# Altium PCB H7.PcbDoc (part 3 of 3) (continued)
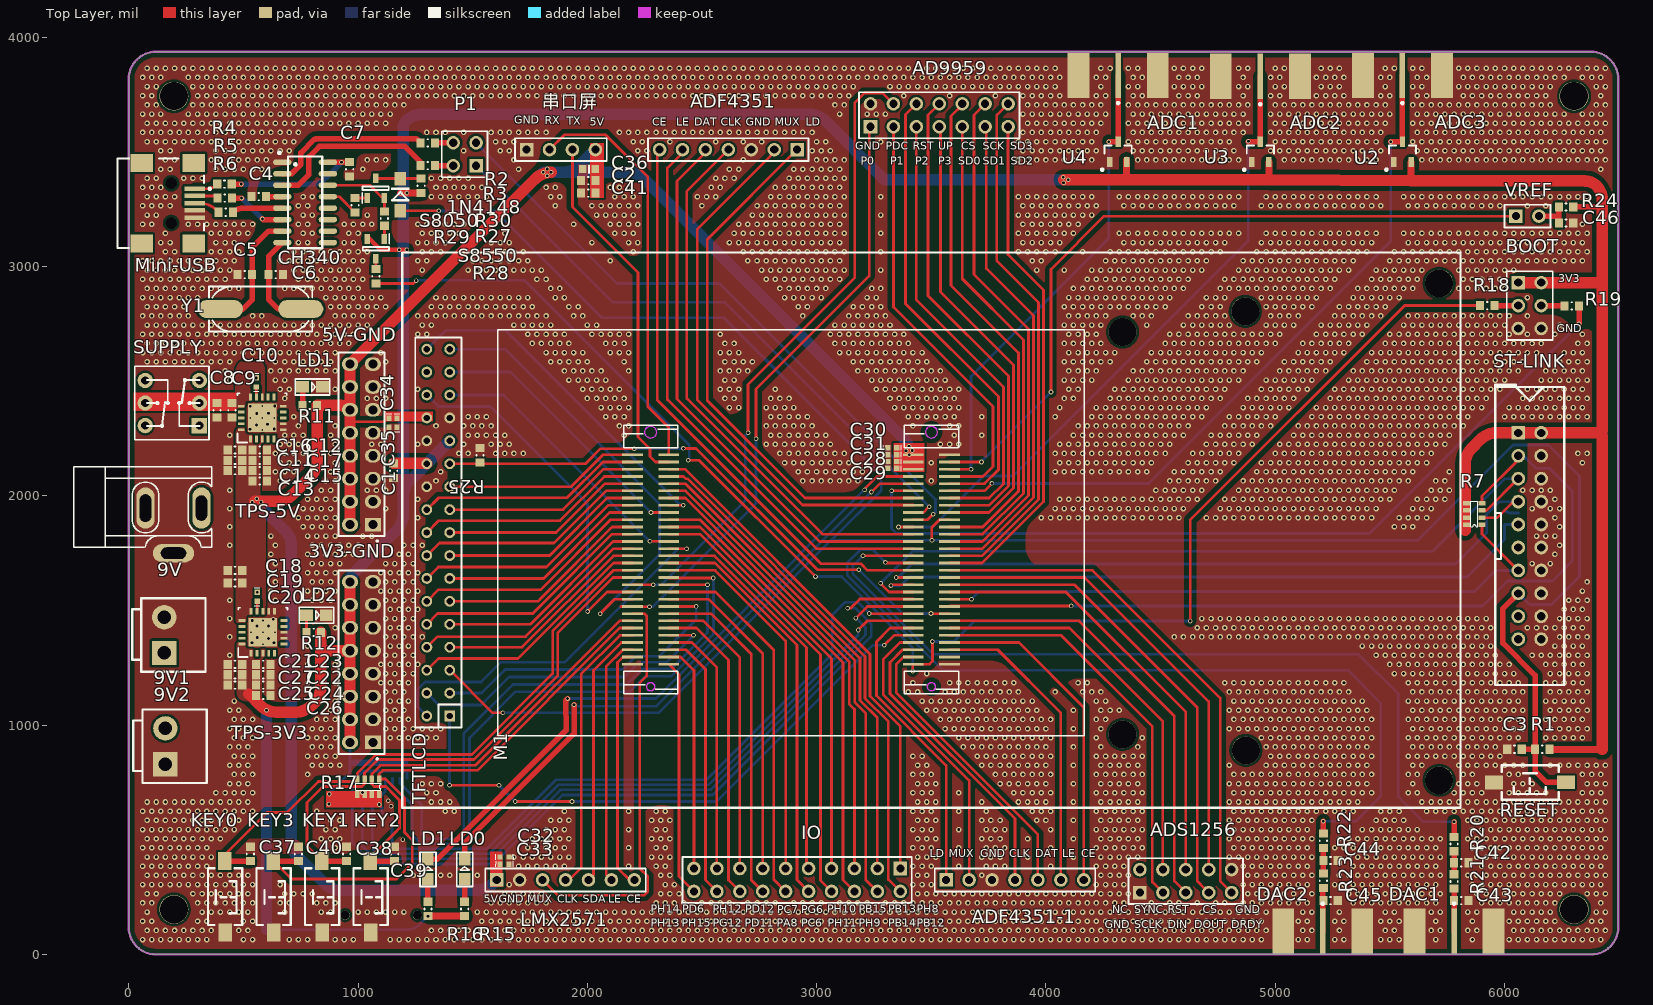
[diagram p0: Top Layer view]
## Nets (pads, with @x,y where several pads share a name; then routed paths per layer and width w, separated by ;. In a path a pad name is that pad's centre, name@x,y a point inside that pad or via, vN(x,y) a via of type N, cw(c..) or ccw(c..) an arc to the next point about the centre after c; other vN are vias at no path point) (continued)
  Bottom Layer w11.8: TFTLCD.30@1300,2440 1350,2390 1578,2390 2001,1967 v2(2001,1496)
PI8: M1.J2_40 TFTLCD.33 | length 1948.7
  Top Layer w11.8: v2(2056,1486) 2119.49,1549.49 M1.J2_40@2197.52,1549.49
  Bottom Layer w11.8: TFTLCD.33@1400,2640 1640,2640 2315,1965 2315,1745 v2(2056,1486)
RESET: 1N4148.1 C3.2 M1.J1_10 R1.1 RESET.1 ST-LINK.8 TFTLCD.5 | length 10489.2
  Top Layer w11.8: TFTLCD.5@1400.24,1240.08 1586.31,1054 v2(1632,1054) ; v2@3502,1808 3502,1863 3534.98,1895.98 M1.J1_10@3579.39,1895.98
  Top Layer w12: 1N4148.1@1184,3244 v2(1352,3244)
  Top Layer w24: ST-LINK.8@6060,1575 5993,1508 5993,1358 6133.5,1217.5 R1.1@6133.5,895 ; C3.2@6075,895 R1.1@6133.5,895 ; RESET.1@6267.31,750.79 6182.21,750.79 6133.5,799.5 R1.1@6133.5,895
  Bottom Layer w11.8: v2(1632,1054) 2310,1054 3062.8,1806.8 ; 3065.57,1806.8 5621.8,1806.8 6037,2222 6191,2222 6327,2086 6327,1648 6205,1526 6109,1526 ST-LINK.8@6060,1575
  Bottom Layer w12: v2@1351,3243 1598,3243 2064,2777 2595,2777 3282,2090 3282,2023.23 3065.57,1806.8 3062.8,1806.8
  other v2: 3503,1807
RX: P1.2 R3.2 | length 80
  Top Layer w24: R3.2@1335,3440 P1.2@1415,3440
TX: P1.4 R2.2 | length 80
  Top Layer w24: R2.2@1335,3540 P1.4@1415,3540
VCC: 9V1.1 9V2.2 9V.1 SUPPLY.3 SUPPLY.6
VCC1: C8.2 C9.2 SUPPLY.2 SUPPLY.5 TPS-5V.13 TPS-5V.15 TPS-5V.16
VCC-3.3: 3V3-GND.2 3V3-GND.4 3V3-GND.6 3V3-GND.8 3V3-GND.10 3V3-GND.12 3V3-GND.14 3V3-GND.16 BOOT.1 BOOT.2 C1.1 C21.2 C22.2 C23.2 C24.2 C25.2 C26.2 C27.2 J2.4 R1.2 R7.5 R7.6 R7.7 R7.8 R9.1 R9.2 R9.3 R9.4 R10.1 R12.1 R15.2 R16.2 R17.5 R17.6 R17.7 R17.8 R24.2 R30.2 S8550.2 ST-LINK.1 ST-LINK.20 TFTLCD.24 TFTLCD.25 TPS-3V3.1 TPS-3V3.3 TPS-3V3.20 U2.3 U3.3 U4.3 | length 16498.3
  Top Layer w12: 1040,658 v2@1086,658 ; S8550.2@1040,3121 S8550.2@1050,3121
  Top Layer w20: S8550.2@1050,3121 1098,3073 v2(1180,3073) v2(1213,3073)
  Top Layer w24: R24.2@6300,3260 6426,3260
  Top Layer w30: v2(1186,3321.01) R30.2@1275,3321.01 ; R16.2@1313.26,167.01 R15.2@1464,167.01 ; 4352,3379 U4.3@4352,3464.72 ; 4972.4,3369 4972.56,3379.05 ; 4972.4,3379 U3.3@4972.4,3456.42 ; 5592.4,3374.44 U2.3@5592.4,3456.42 ; R1.2@6198.91,894 6426,894
  Top Layer w50: 524,1136 573.71,1086.29 ccw(c644.42,1157) 644.42,1057 727.58,1057 ccw(c727.58,1157) 798.29,1086.29 808.7,1096.7 ccw(c737.99,1167.41) 837.99,1167.41 837.99,1330 ; R12.1@837.99,1405 837.99,1330 ; 3V3-GND.2@965,925 3V3-GND.4@965,1025 3V3-GND.6@965,1125 3V3-GND.8@965,1225 3V3-GND.10@965,1325 ; 3V3-GND.16@965,1625 3V3-GND.14@965,1525 3V3-GND.12@965,1425 3V3-GND.10@965,1325 ; C1.1@1155,2141.5 1296.39,2141.5 cw(c1296.39,2136.39) TFTLCD.24@1300,2140 ; 4078,3379 v2(4097,3379) 4352,3379 4972.4,3379 ; 4972.56,3379.05 5592.44,3374.05 ; 5592.4,3374.44 ccw(c5594.44,3374.44) 5592.44,3374.05 ; 5828,1850 5828,2137.58 cw(c5928,2137.58) 5857.29,2208.29 5894.71,2245.71 cw(c5965.42,2175) 5965.42,2275 ST-LINK.1@6060,2275 ST-LINK.20@6160,2275 6418,2275 ; BOOT.1@6060,2930 BOOT.2@6160,2930 6426,2930 ; 6347.13,3374 5598.1,3374 5592.44,3374.05 ; 6354.13,3373 cw(c6354.13,3308.13) 6400,3354 cw(c6337.23,3291.23) 6426,3291.23 6426,3260 6426,2930 ; 6426,894 6426,2255.69 ccw(c6398.69,2255.69) 6418,2275 ; 837.99,1330 ccw(c850.06,1342.07) 850.06,1325 3V3-GND.10@965,1325 ; 6418,2275 6426,2283 6426,2930
  Bottom Layer w12: 599,99 608,108 1214,108 ccw(c1214,185.24) 1268.61,130.62 v2(1305,167.01) ; v2(873,656) 873,701.97 965,793.97 3V3-GND.2@965,925 ; v2(1092.06,653.94) 1105,641 J2.4@1105,590
  Bottom Layer w30: 972,835.93 R9.2@1150.5,835.93 R9.4@1205,835.93
  Bottom Layer w50: 600.71,110.29 v2(600.71,1065) ; 3V3-GND.16@965,1625 cw(c1018.11,1625) 980.56,1662.56 1167.71,1849.71 ccw(c1097,1920.42) 1197,1920.42 1197,1995.58 cw(c1297,1995.58) 1199.72,2018.76 ; 1200.71,2021.11 1199.72,2018.76 ; 1203.94,2032.17 ccw(c1297,1995.58) 1200.71,2022.57 ccw(c1297,1995.58) 1199.72,2018.76 ; 1209.62,2044.2 ccw(c1189.99,2046.11) 1209.71,2046.11 ; 1226.29,2066.29 TFTLCD.24@1300,2140 TFTLCD.25@1400,2240 ; v2(4097,3379) 3295,3379 3272.23,3401.77 3038.29,3635.71 ccw(c2967.58,3565) 2967.58,3665 1280.42,3665 ccw(c1280.42,3565) 1209.71,3635.71 ccw(c1241.1,3604.33) 1196.71,3604.33 1196.71,2011.57 1199.72,2018.76
  other v2: 874,700 1019,705.99 1213,3321 4077,3366 4076,3390
VCC-5: 5V-GND.2 5V-GND.4 5V-GND.6 5V-GND.8 5V-GND.10 5V-GND.12 5V-GND.14 5V-GND.16 C2.2 C11.2 C12.2 C13.2 C14.2 C15.2 C16.2 C17.2 C18.2 C19.2 C28.2 C29.2 C30.2 C31.2 C32.2 C33.2 C34.2 C35.2 C36.2 C41.2 LMX2571.1 M1.J1_58 M1.J1_59 M1.J1_60 R11.1 TFTLCD.28 TPS-3V3.13 TPS-3V3.15 TPS-3V3.16 TPS-5V.1 TPS-5V.3 TPS-5V.20 串口屏.4 | length 7665.8
  Top Layer w11: 973,2324 1113.46,2324 1116.77,2327.31 1116.86,2327.31 C34.2@1127,2337.45
  Top Layer w50: 549,1977 644.58,1977 ccw(c644.58,2077) 715.29,2006.29 792.21,2083.21 ccw(c721.5,2153.92) 821.5,2153.92 R11.1@821.5,2395 916.72,2395 cw(c916.72,2326.72) 5V-GND.12@965,2375 ; 5V-GND.2@965,1875 5V-GND.6@965,2075 5V-GND.8@965,2175 5V-GND.10@965,2275 5V-GND.12@965,2375 ; v2@1842.42,3411 ccw(c1842.42,3311) 1771.71,3381.71 5V-GND.16@965,2575 5V-GND.14@965,2475 5V-GND.12@965,2375
  Bottom Layer w50: 554,1975 685.78,1843.22 cw(c632.14,1789.58) 708,1789.58 708,497.42 ccw(c808,497.42) 737.29,426.71 853.71,310.29 ccw(c924.42,381) 924.42,281 1519.58,281 ccw(c1519.58,381) 1590.29,310.29 LMX2571.1@1605,325 ; v2(1808,3411) v2@1833.93,3411 ; v2(1842,3411) 1894.58,3411 ; 串口屏.4@2035,3510 1965.29,3440.29 cw(c1894.58,3511) 1894.58,3411 ; 3404,2193 ccw(c3324.33,2193) 3380.67,2249.33 2248.29,3381.71 ccw(c2177.58,3311) 2177.58,3411 1894.58,3411
  other v2: 559,1953 539,1972 577,1973 558,1988 3404,2179 3390,2197 3417,2198 3403,2216 1825,3396 1825,3426
VREF+: M1.J1_2 VREF.1 | length 3229.2
  Top Layer w11.8: M1.J1_2@3579.39,2147.95 M1.J1_2@3579.39,2147.95 v2(3719,2148) ; v2(4022.05,2452.95) 4022.05,2988.05 4254,3220 VREF.1@6050,3220
  Bottom Layer w11.8: v2(3719,2148) 3719,2149.91 v2(4022.05,2452.95)
pads on no net: ADS1256.2 CH340.9 CH340.10 CH340.11 CH340.12 CH340.15 J2.0 J2.9 M1.J1_29 Mini-USB.6 Mini-USB.7 Mini-USB.8 Mini-USB.9 Mini-USB.MH1 Mini-USB.MH2 ST-LINK.6 ST-LINK.9 ST-LINK.10 SUPPLY.1 SUPPLY.4 TFTLCD. TFTLCD.32 TPS-3V3.2 TPS-3V3.4 TPS-3V3.5 TPS-3V3.6 TPS-3V3.9 TPS-3V3.10 TPS-3V3.17 TPS-3V3.18 TPS-3V3.19 TPS-5V.2 TPS-5V.4 TPS-5V.5 TPS-5V.8 TPS-5V.9 TPS-5V.11 TPS-5V.12 TPS-5V.17 TPS-5V.18 TPS-5V.19

## Polygon pours and split planes (outlines as drawn)
GND on Bottom Layer "Top Layer-No Net" (solid, remove dead copper, pour order 18): 0,0 6497,0 6497,3938 0,3938
VCC on Bottom Layer "Top Layer-No Net" (solid, pour order 2): 295,2551 310.58,2551 cw(c310.58,2451) 381.29,2521.71 383,2520 cw(c334.72,2471.72) 403,2471.72 403,813.42 cw(c303,813.42) 373.71,742.71 367.29,736.29 cw(c296.58,807) 296.58,707 0,707 0,2550
GND on Top Layer "Top Layer-No Net" (solid, remove dead copper, pour order 20): 0,-2 6497,-2 6497,3936 0,3936
VCC1 on Top Layer "Top Layer-No Net" (solid, pour order 4): 593,2557.27 ccw(c562.27,2557.27) 584,2579 ccw(c567.1,2562.1) 567.1,2586 493.66,2586 ccw(c493.66,2572.34) 484,2582 ccw(c529.87,2536.13) 465,2536.13 465,2385.49 ccw(c485.49,2385.49) 471,2371 cw(c473.41,2371) 471.71,2372.71 478,2379 cw(c492.49,2364.51) 492.49,2385 502,2385 ccw(c485.1,2401.9) 509,2401.9 509,2411 cw(c511.41,2411) 509.71,2412.71 510,2413 cw(c512.41,2410.59) 512.41,2414 581.34,2414 ccw(c581.34,2427.66) 591,2418 ccw(c586.17,2422.83) 593,2422.83
VCC-5 on Top Layer "Top Layer-No Net" (solid, pour order 6): 489.9,2300 ccw(c489.89,2276.13) 473,2293 ccw(c487.47,2278.52) 467,2278.51 467,1455.24 ccw(c477.24,1455.24) 470,1448 ccw(c474.83,1452.83) 474.83,1446 500.76,1446 ccw(c500.76,1456.24) 508,1449 ccw(c498.35,1458.65) 512,1458.66 512,1473.17 cw(c518.82,1473.17) 514,1478 cw(c521.23,1470.77) 521.24,1481 588.17,1481 ccw(c588.17,1487.83) 593,1483 ccw(c583.35,1492.65) 597,1492.66 597,1958.51 ccw(c576.54,1958.52) 591,1973 cw(c634.46,2016.46) 573,2016.46 573,2215.82 cw(c599.6,2208.54) 589,2234 589,2266 526.49,2266 cw(c526.48,2286.48) 512,2272 cw(c524.07,2284.07) 507,2284.07 507,2293.17 ccw(c500.2,2293.18) 505,2298 ccw(c500.19,2293.21) 500.17,2300
VCC-3.3 on Top Layer "Top Layer-No Net" (solid, pour order 8): 480.24,1362 ccw(c480.24,1351.76) 473,1359 ccw(c477.83,1354.17) 471,1354.17 471,1140.14 ccw(c505.14,1140.14) 481,1116 ccw(c509.97,1144.97) 509.97,1104 554.27,1104 ccw(c554.27,1134.73) 576,1113 ccw(c568.76,1120.24) 579,1120.24 579,1271.86 cw(c613.14,1271.86) 589,1296 594.88,1301.88 ccw(c589.76,1307) 597,1307 597,1325.17 ccw(c590.17,1325.17) 595,1330 ccw(c587.76,1322.76) 587.76,1333 521.24,1333 cw(c521.24,1343.24) 514,1336 cw(c528.49,1350.49) 508,1350.49 508,1358.59 ccw(c504.59,1358.59) 507,1361 ccw(c504.59,1358.59) 504.59,1362

## Keep-outs
Keep-Out Layer:
  the board outline again, w10

## Other copper
Top Layer:
  rectangle net VCC-5: 3335,2105 3470,2230
  rectangle net VCC-5: 2011,3299 2072,3539
  rectangle net VCC1: 20,2371 471,2452
  rectangle net VCC-5: 1576,295 1631,449
  rectangle net VCC-5: 1116,2325 1328,2368
  rectangle net VCC-3.3: 860,641 1105,714
  pour cut-out: 1263,777 1258.41,772.41 ccw(c1329.12,701.7) 1229.12,701.7 1229.12,681.83 ccw(c1226.6,681.83) 1228.38,683.62 1122,790
  pour cut-out: 1376.29,751.11 1360.58,766.82 ccw(c1336,742.23) 1336,777 1534.27,777 cw(c1534.27,746.27) 1556,768
  pour cut-out: 1444,561 ccw(c1431.93,573.07) 1449,573.07 1449,618 ccw(c1350.02,618) 1420.01,687.99 1397.54,710.46 ccw(c1392.21,705.14) 1392.21,712.67 1593.38,712.67 cw(c1593.38,710.38) 1595,712
  pour cut-out: 760,461 760,459.9 cw(c736.1,459.9) 753,443 cw(c744.01,451.99) 744.01,439.28 740,439.28 cw(c740,402.29) 766.16,428.44 769.88,424.72
  pour cut-out: 525,504 711.37,504 cw(c711.37,449.37) 750,488 ccw(c716.2,521.8) 764,521.8 764,665 ccw(c764,599.82) 717.91,645.91 691,619 cw(c635.47,674.53) 635.47,596 576,596
  pour cut-out: 1050.06,456.88 992.5,456.88 ccw(c992.5,396.78) 950,439.28 974.49,414.78 cw(c958.35,398.65) 981.18,398.65
  pour cut-out: 1389.62,2107.91 ccw(c1389.62,2185.84) 1444.73,2130.73 1467,2153 ccw(c1515.28,2201.28) 1515.28,2133 1928.47,2133 cw(c1928.47,2054.47) 1984,2110 1902.85,2028.85 cw(c1867,2064.7) 1867,2014 1443.11,2014 cw(c1443.11,2089.11) 1390,2036
  pour cut-out: 1295,1968 1382.2,1968 cw(c1382.2,1920.2) 1416,1954 ccw(c1428.07,1941.93) 1411,1941.93 1411,1306 1370.48,1306 ccw(c1370.48,1206) 1299.77,1276.71 1296.51,1273.45 cw(c1302.56,1279.51) 1294,1279.51 1294,1919
  pour cut-out: 1267.24,1248.78 1267.24,1048.78 1297.21,1018.81 ccw(c1316.96,1038.56) 1316.96,1010.63 1354.51,1010.63 cw(c1354.51,967.51) 1385,998 1385,902.83 cw(c1378.17,902.83) 1383,898 ccw(c1440.94,955.94) 1440.94,874 1537,874 cw(c1609.43,874) 1558.21,925.21 1635,1002 1586.29,1050.71 cw(c1657,1121.42) 1557,1121.42 1557,1128.58 ccw(c1457,1128.58) 1527.71,1199.29 1459,1268 ccw(c1396.23,1205.23) 1396.23,1294 1339,1294
  pour cut-out: 1513,777 1515.71,774.29 cw(c1445,703.58) 1545,703.58 1545,686 cw(c1489.47,686) 1528.74,646.74 1919.46,1037.46 ccw(c1910.93,1046) 1923,1046 ccw(c1889.2,1046) 1913.1,1069.9 1841,1142
  pour cut-out: 1644,621 1654.71,631.71 cw(c1725.42,561) 1725.42,661 1871.58,661 cw(c1871.58,561) 1942.29,631.71 1947,627 ccw(c1903.54,670.46) 1965,670.46 1965,990 ccw(c1965,977.93) 1956.46,986.46 1721,751
  pour cut-out: 2303,1545 2303,1421 2407,1317 2398,1308 2398,660 2374,636 ccw(c2337.79,599.79) 2337.79,651 2313.36,651 ccw(c2313.35,565.65) 2253,626 2249.8,629.2 ccw(c2202,581.4) 2202,649 2227,681 ccw(c2150.63,684.36) 2207,736
  pour cut-out: 5812.27,99.96 5812.27,14.73 5814,13 5812,11 5748,11 5748,537 5767,556 5803,556 5803,536 5812.28,526.72 5812.28,144.99
  pour cut-out: 5175.22,100 5175,99.78 5175,26 5235,26 5239,22 5239,143
  pour cut-out: 5177.72,527.99 5175.22,525.49 5175.22,188.63 5240.63,188.63 5241,189 5241,526.72 5242.28,527.99
  pour cut-out: 6160,2790.13 6197.8,2790.13 cw(c6197.8,2690.13) 6268.51,2760.84 6302.18,2727.18 cw(c6333.66,2758.66) 6289.14,2758.66 6289.14,2852.59
  pour cut-out: 6347.82,2727.18 6357.79,2727.18 cw(c6357.79,2694.9) 6380.61,2717.72 ccw(c6338.63,2759.7) 6398,2759.7 6398,2857.99 ccw(c6298.99,2857.99) 6369,2928 6358.29,2917.29 cw(c6287.58,2988) 6287.58,2888 6088.2,2888 cw(c6088.2,2840.2) 6122,2874 cw(c6113.62,2865.62) 6125.47,2865.62 6125.47,2849.93
  pour cut-out: 6100,1971 6045.29,1916.29 cw(c5974.58,1987) 5974.58,1887 5890,1887 5890,1879.42 ccw(c5990,1879.42) 5919.29,1808.71 6023.71,1704.29 ccw(c6094.42,1775) 6094.42,1675 6100.35,1675
  pour cut-out: 6102,2230 ccw(c6106,2226.01) 6100.35,2226.01 6100.35,2075 cw(c6078.45,2075) 6093.93,2059.52 6067.24,2032.83 ccw(c6084.73,2015.35) 6060,2015.35 6060,2015 5997,1952 5979.29,1969.71 ccw(c5908.58,1899) 5908.58,1999 5865,1999 5865,2224.86 cw(c5899.14,2224.86) 5875,2249
  pour cut-out: 3624.67,1281.46 3759.18,1281.46 cw(c3759.18,1181.46) 3829.89,1252.17 3816.07,1265.99 cw(c3879.14,1329.06) 3789.94,1329.06 3579.39,1329.06
  pour cut-out: 4055,1153 4053.49,1154.51 ccw(c4033,1134.03) 4033,1163 ccw(c4033,1153.34) 4026.17,1160.17 4019,1153 ccw(c4026.24,1145.76) 4016,1145.76 4016,1142 cw(c4016,1226.5) 3956.25,1166.75 3768,1355 cw(c3782.49,1340.51) 3782.49,1361 3868,1361
  pour cut-out: 4220,1202 4132.21,1202 ccw(c4132.21,1150.79) 4096,1187 3897.29,1385.71 ccw(c3826.58,1315) 3826.58,1415 4010.13,1415 ccw(c4010.13,1479.87) 4056,1434
  pour cut-out: 3951.85,1900.76 3941.29,1890.2 ccw(c4012,1819.49) 3912,1819.49 3912,1775 ccw(c3996.5,1775) 3936.75,1715.25 3950,1702 cw(c3913.79,1738.21) 3913.79,1687 3655,1687
  pour cut-out: 3477.38,2059.37 3485.92,2050.83 ccw(c3500,2064.91) 3500,2045 ccw(c3500,2068.06) 3516.31,2051.75 3523.92,2059.37 cw(c3499.59,2035.04) 3534,2035.04 3534,1940 3498.87,1940 cw(c3498.87,2004.87) 3453,1959
  pour cut-out: 3190.53,2048.47 3178.89,2036.84 cw(c3131,2084.73) 3131,2017 3178.62,2017 cw(c3178.62,1972.62) 3210,2004
  pour cut-out: 2762.12,2249 2762.12,2235.92 ccw(c2812.92,2235.92) 2777,2200 2770.56,2206.44 ccw(c2733,2168.89) 2733,2222
  pour cut-out: 2675,2380 2672.92,2377.92 cw(c2620,2430.84) 2620,2356 ccw(c2624.83,2356) 2621.41,2352.59 2683,2291
  pour cut-out: 2194.88,2277.93 2161.22,2244.28 cw(c2134,2271.5) 2134,2233 2184.79,2233 cw(c2184.79,2181.79) 2221,2218
  pour cut-out: 2237,3095 2237,3090.63 cw(c2182.37,3090.63) 2221,3052 cw(c2211.34,3061.66) 2211.34,3048 2183,3048 ccw(c2231.28,3048) 2197.14,3013.86 2241,2970
  pour cut-out: 2079,3552 2079,3365.24 ccw(c2089.24,3365.24) 2082,3358 cw(c2098.9,3341.1) 2098.9,3365 2212.86,3365 cw(c2212.86,3330.86) 2237,3355 2244.59,3362.59 cw(c2248,3359.17) 2248,3364 ccw(c2204.54,3364) 2235.27,3394.73 2088.54,3541.46 ccw(c2080,3532.93) 2080,3545
  pour cut-out: 1950,3560 2030,3560 2030,3431.04 cw(c1971.96,3431.04) 2013,3390 2011.24,3391.76 ccw(c2001,3381.51) 2001,3396 2001,3444 1961,3444
  pour cut-out: 1756.93,3428.67 1793.18,3392.42 ccw(c1854.17,3453.41) 1854.17,3367.16 1864.82,3367.16 cw(c1864.82,3318.82) 1899,3353 cw(c1874.86,3328.86) 1909,3328.86 1909,3532.86 ccw(c1874.86,3532.86) 1899,3557 1883.1,3541.1 cw(c1812.39,3611.81) 1812.39,3511.81 1795.37,3511.81 1795.37,3508.53 cw(c1695.37,3508.53) 1766.08,3437.82
  pour cut-out: 1286.48,3571.18 cw(c1289.13,3568.52) 1289.13,3572.28 1335,3572.28 ccw(c1335,3560.87) 1326.94,3568.94 1304,3546
  pour cut-out: 1443.19,3511.81 ccw(c1375.13,3443.75) 1375.13,3540 1272.01,3540 cw(c1243.06,3540) 1263.53,3519.53 1245,3501 1265.71,3480.29 ccw(c1336.42,3551) 1336.42,3451 1401.69,3451 ccw(c1401.69,3509.7) 1443.19,3468.19
  pour cut-out: 944,3423 ccw(c922.27,3401.27) 922.27,3432 903,3432 903,3385.66 cw(c889.34,3385.66) 899,3376 cw(c911.07,3363.93) 911.07,3381 943,3381 cw(c957.49,3395.49) 937,3395.49 937,3406.1 cw(c960.9,3406.1)
  pour cut-out: 1035,3492 1028.14,3492 ccw(c1028.14,3457.86) 1004,3482 ccw(c1025.06,3460.94) 995.28,3460.94 995.28,3455.5 cw(c995.28,3500.82) 963.23,3468.77 930,3502
  pour cut-out: 1142,3492 cw(c1156.49,3477.51) 1156.49,3498 1193,3498 cw(c1193,3495.59) 1194.71,3497.29 1241,3451 cw(c1216.86,3426.86) 1251,3426.86 1251,3404 1096.24,3404 ccw(c1096.24,3393.76) 1089,3401 1088.81,3401.19 ccw(c1088.81,3471.1) 1126.96,3432.96 1135,3441 ccw(c1118.1,3457.9) 1142,3457.9
  pour cut-out: 1335,3407.72 1323.21,3407.72 ccw(c1323.21,3381.8) 1304.88,3400.13 1300.58,3404.44 ccw(c1263,3366.86) 1263,3420 1263,3434.25 cw(c1293.75,3434.25) 1272.01,3455.99
  pour cut-out: 1144.88,3160.28 1131.21,3146.61 cw(c1108,3169.83) 1108,3137 ccw(c1178.01,3137) 1128.51,3087.49 1129,3087 cw(c1167.63,3048.37) 1167.63,3103 1171,3103 1166.92,3107.08 cw(c1220.12,3160.28)
  pour cut-out: 1085.12,3177.68 ccw(c1125.68,3177.68) 1097,3149 ccw(c1101.83,3144.17) 1095,3144.17 1095,3115 cw(c1095,3139.14) 1077.93,3122.07 1055.11,3144.89 cw(c1063.06,3152.85) 1051.81,3152.85 1059.2,3152.85 ccw(c1059.2,3189.5) 1085.12,3163.58
  pour cut-out: 1085.12,3223.28 1085.12,3189.14 1135.01,3189.14 cw(c1135.01,3175.01) 1145,3185 cw(c1170.46,3185) 1152.46,3203 1154.51,3205.05 cw(c1167.8,3218.35) 1149,3218.35 1149,3225
  pour cut-out: 1061,3317 1045.28,3301.28 cw(c977,3369.57) 977,3273 cw(c977,3260.93) 985.54,3269.46 1012,3243 1017,3243 cw(c1029.07,3243) 1020.54,3251.54 1025,3256 cw(c1037.07,3243.93) 1037.07,3261 1076.97,3261 cw(c1076.97,3249.48) 1085.12,3257.63 1089.6,3262.11 cw(c1099,3252.7) 1099,3266 1099,3278.51 ccw(c1078.51,3278.51) 1093,3293
  pour cut-out: 607,3132 607,2861.89 ccw(c707,2861.89) 636.29,2791.18 643.48,2783.99 ccw(c635.69,2776.21) 635.69,2787.22 ccw(c607.25,2758.77) 607.25,2799 537.53,2799 ccw(c537.53,2775.13) 520.65,2792.01
  pour cut-out: 555.05,3191.86 555.29,3191.86 cw(c555.29,3134.29) 596,3175 540.49,3119.49 cw(c520,3139.97) 520,3111 525.76,3116.76 ccw(c455.05,3187.47) 555.05,3187.47
  pour cut-out: 466.47,3207.12 499.78,3240.42 cw(c506,3234.2) 506,3243 506.58,3243 cw(c506.58,3143) 577.29,3213.71 583,3208 575.47,3200.47 cw(c555,3220.94) 555,3191.99 ccw(c518.47,3155.46) 518.47,3207.12
  pour cut-out: 409.72,3207.12 ccw(c389.72,3227.12) 418,3227.12 418,3244 ccw(c445.45,3244) 426.04,3224.59 443.51,3207.12
  pour cut-out: 448.99,3392.28 cw(c443.5,3397.77) 443.5,3390 385,3390 ccw(c394.66,3390) 387.83,3383.17 417,3354
  pour cut-out: 522.62,3355 509.17,3341.55 ccw(c533.72,3317) 499,3317 ccw(c532.8,3317) 508.9,3293.1 517,3285 517,3340.5 cw(c519.51,3340.5) 517.73,3342.28
  pour cut-out: 670,3437.28 ccw(c670,3348.62) 607.31,3411.31 589.29,3393.29 ccw(c660,3322.58) 560,3322.58 560,3300 cw(c545.51,3300) 555.76,3289.76 554,3288 ccw(c580.56,3314.56) 580.56,3277 598,3277 ccw(c598,3342.18) 644.09,3296.09 677,3329
Bottom Layer:
  pour cut-out: 4013,2207 4013,2127.87 ccw(c4077.87,2127.87) 4032,2082 cw(c4017.51,2096.49) 4017.51,2076 3839,2076
  pour cut-out: 4030,2028 ccw(c4030,1931.43) 3961.72,1999.72 3938,1976 ccw(c3966.97,1947.03) 3926,1947.03 3926,1863 3518.04,1863 cw(c3518.04,1921.04) 3477,1880 3635.71,2038.71 cw(c3706.42,1968) 3706.42,2068 3793,2068
  pour cut-out: 3992,2384 ccw(c4018.56,2357.44) 3981,2357.44 3981,2339 ccw(c4017.21,2339) 3991.61,2313.39 4002,2303 ccw(c4009.24,2310.24) 4009.24,2300 4032,2300
  pour cut-out: 3647.42,2143.57 cw(c3584.28,2143.57) 3628.93,2098.93 3560,2030 3519.9,2030 cw(c3519.9,2053.9) 3503,2037 cw(c3432.99,1966.99) 3532,1966.99 3532,1925 ccw(c3532,1929.83) 3535.41,1926.41 3706,2097
  pour cut-out: 1240.3,835.93 1240.3,744.33 ccw(c1285.08,744.33) 1253.42,712.67 ccw(c1206.75,666) 1206.75,732 1175,732
  pour cut-out: 1009.42,914.68 ccw(c1041.03,914.68) 1018.68,892.32 1041,870 cw(c987.89,923.11) 987.89,848 945,848
  pour cut-out: 873,629.78 cw(c873,542.67) 934.59,604.26 948.85,590 ccw(c897.8,641.05) 970,641.05 970,769 ccw(c970,696.64) 918.84,747.81 913.03,742
  pour cut-out: 1616.49,381.49 cw(c1596,401.97) 1596,373 ccw(c1662.31,373) 1615.42,326.11 1644.72,296.81 ccw(c1631.98,309.55) 1650,309.55 1650,402.27 cw(c1680.73,402.27) 1659,424
  pour cut-out: 1404,1070 1393,1059 1393,712 cw(c1393,661.3) 1428.85,697.15 1435,691 cw(c1463.97,662.03) 1463.97,703 1476,703 1476,775.06 ccw(c1394.06,775.06) 1452,833
  pour cut-out: 2079.03,3520.32 2122.47,3520.32 cw(c2122.47,3420.32) 2193.18,3491.03 2243.61,3440.6 2239.3,3436.29 cw(c2168.59,3507) 2168.59,3407 1971,3407
  pour cut-out: 2276,3288 2276,3128.42 cw(c2176,3128.42) 2246.71,3057.71 2207.29,3018.29 cw(c2136.58,3089) 2136.58,2989 2101,2989 ccw(c2134.8,2989) 2110.9,2965.1 2136,2940 2203.71,3007.71 cw(c2274.42,2937) 2274.42,3037 2386,3037
  pour cut-out: 2205,2424 cw(c2156.72,2375.72) 2225,2375.72 2225,2314 cw(c2184.69,2314) 2213.19,2285.5 2164.82,2237.12 2170.65,2231.29 ccw(c2241.37,2302) 2241.37,2202 2313,2202 cw(c2404.74,2202) 2339.87,2266.87 2370,2297
  pour cut-out: 2701,2301.12 2441.3,2301.12 cw(c2441.3,2401.12) 2370.59,2330.41 2406.71,2294.29 cw(c2336,2223.58) 2436,2223.58 2436,2062
  pour cut-out: 2762,2207 ccw(c2844.08,2207) 2786.04,2148.96 2876.71,2058.29 ccw(c2947.42,2129) 2947.42,2029 3176,2029 cw(c3113.23,2029) 3157.62,1984.62 3081,1908 cw(c3025.47,1963.53) 3025.47,1885 2932,1885
  pour cut-out: 6098.93,2122.13 6083.29,2106.49 ccw(c6154,2035.78) 6054,2035.78 6054,1544.16 cw(c6005.61,1544.16) 6039.83,1509.94 cw(c6003.2,1546.57) 6003.2,1494.77 5910.76,1494.77 5910.76,2034.34 cw(c6010.76,2034.34) 5940.05,2105.05 6038,2203
  pour cut-out: 5447,638 5548,638 5545.14,640.86 cw(c5579.28,675) 5531,675 5493.8,675 cw(c5493.8,722.8) 5460,689
  pour cut-out: 3061.91,1127.97 3115.32,1181.38 cw(c3186.03,1110.67) 3186.03,1210.67 3412.21,1210.67 ccw(c3412.21,1243.44) 3435.39,1220.27 3460.06,1244.94 cw(c3494,1211) 3494,1259 ccw(c3440.89,1259) 3478.44,1296.56 3289,1486 cw(c3238.3,1536.7) 3238.3,1465 3194,1465
  pour cut-out: 4523,1424 4291.29,1655.71 ccw(c4220.58,1585) 4220.58,1685 3371.42,1685 ccw(c3371.42,1585) 3300.71,1655.71 3192,1547 3433.71,1305.29 ccw(c3504.42,1376) 3504.42,1276 4421.58,1276 ccw(c4421.58,1376) 4492.29,1305.29 4522,1335 cw(c4534.07,1347.07) 4517,1347.07 4517,1422 cw(c4521.83,1417.17) 4521.83,1424
  pour cut-out: 772,325 ccw(c752.69,305.69) 752.69,333 664,333 ccw(c664,318.51) 653.76,328.76 647,322 598.07,370.93 ccw(c581,353.86) 581,378 581,1089.62 cw(c608.19,1089.62) 588.96,1108.84 ccw(c588.96,1205.12) 657.04,1137.04 664,1144 685.29,1122.71 ccw(c687,1124.41) 687,1122 687,485.42 ccw(c787,485.42) 716.29,414.71 763,368
  pour cut-out: 2014,1486 cw(c2059.87,1440.13) 2059.87,1505 2079,1505 cw(c2134.53,1505) 2095.26,1544.26 2308,1757 cw(c2315.24,1764.24) 2305,1764.24 2305,1874.58 ccw(c2205,1874.58) 2275.71,1945.29 1710.29,2510.71 ccw(c1639.58,2440) 1639.58,2540 1300,2540 1300,2457.97 ccw(c1340.97,2457.97) 1312,2429 1326.71,2414.29 ccw(c1397.42,2485) 1397.42,2385 1545,2385 cw(c1545,2305.33) 1601.33,2361.67 1993.22,1969.78 cw(c1974.44,1951) 2001,1951 2001,1496
  pour cut-out: 1974.88,1516.02 1974.88,1426.24 cw(c1874.88,1426.24) 1945.59,1355.53 2052.44,1462.38 cw(c2066,1448.82) 2066,1468 cw(c2066,1496.97) 2045.51,1476.49 2036,1486 ccw(c2014,1478.76) 2008.88,1483.88 2003,1478
  pour cut-out: 1266.09,2640 1266.09,2540 1724.03,2540 cw(c1724.03,2499.03) 1753,2528 ccw(c1726.44,2554.56) 1764,2554.56 1764,2619 1761.42,2619 cw(c1761.42,2719) 1690.71,2648.29 1618,2721 cw(c1581.79,2757.21) 1581.79,2706 1373,2706 ccw(c1373,2607.23) 1303.16,2677.07

## Silkscreen, mask and mechanical layers (free items; w line width, h text height)
Top Overlay:
  text "GND" at 1682,3609 h60
  text "RX" at 1815,3608 h60
  text "TX" at 1910,3605 h60
  text "5V" at 2010,3602 h60
  text "GND" at 2691,3602 h60
  text "CE" at 2283,3601 h60
  text "LE" at 2387,3601 h60
  text "DAT" at 2467,3601 h60
  text "CLK" at 2581,3601 h60
  text "MUX" at 2817,3601 h60
  text "LD" at 2953,3601 h60
  text "UP" at 3531,3497.56 h60
  text "GND" at 3169,3497.17 h60
  text "PDC" at 3302,3497 h60
  text "RST" at 3420,3497.17 h60
  text "CS" at 3630,3497 h60
  text "SCK" at 3725,3497 h60
  text "SD3" at 3845,3497.17 h60
  text "P0" at 3193,3430.83 h60
  text "P1" at 3322,3430.67 h60
  text "P2" at 3430,3430.67 h60
  text "P3" at 3531,3430.67 h60
  text "SD0" at 3618,3431 h60
  text "SD1" at 3724,3431 h60
  text "SD2" at 3846,3431 h60
  text "3V3" at 6234,2919 h60
  text "GND" at 6227,2700 h60
  text "LD" at 3493,411 h60
  text "MUX" at 3576,411 h60
  text "GND" at 3714,410.61 h60
  text "DAT" at 3953,410.61 h60
  text "LE" at 4071,411 h60
  text "CLK" at 3841,410.44 h60
  text "CE" at 4155,410.44 h60
  text "5V" at 1549,212 h60
  text "GND" at 1614,211.61 h60
  text "MUX" at 1737,212 h60
  text "SDA" at 1979,211.61 h60
  text "LE" at 2091,212 h60
  text "CLK" at 1868,211.44 h60
  text "CE" at 2171,211.44 h60
  text "PH14" at 2277,167.94 h60
  text "PD6" at 2413,168 h60
  text "PH12" at 2548,168 h60
  text "PD12" at 2688,168 h60
  text "PG6" at 2932,167.61 h60
  text "PH10" at 3046,168 h60
  text "PB15" at 3184,168 h60
  text "PB13" at 3313,168 h60
  text "PH8" at 3437,168 h60
  text "PC7" at 2828,167.44 h60
  text "NC" at 4289,166 h60
  text "SYNC" at 4386,166 h60
  text "RST" at 4532,166.17 h60
  text "CS" at 4685,166 h60
  text "GND" at 4825,166.17 h60
  text "PH13" at 2276,108.06 h60
  text "PH15" at 2411,108.06 h60
  text "PG12" at 2548,107.67 h60
  text "PD11" at 2687,108.06 h60
  text "PA8" at 2826,107.67 h60
  text "PC6" at 2933,107.5 h60
  text "PH11" at 3048,108.06 h60
  text "PH9" at 3184,108.06 h60
  text "PB14" at 3313,108 h60
  text "PB12" at 3436,108.06 h60
  text "GND" at 4257,100.61 h60
  text "DIN" at 4531,101 h60
  text "DOUT" at 4648,100.61 h60
  text "DRDY" at 4808,101 h60
  text "SCLK" at 4385,100.44 h60
Bottom Solder:
  rectangle: 468,1293 696,1516
  rectangle: 467,2241 680,2440

## Text inside footprints (layer, text, board x,y; h text height)
J2: Bottom Overlay "k" at 1331.06,501.61 h100; Bottom Overlay "8" at 1298,502 h100; Bottom Overlay "7" at 1233,512 h100; Bottom Overlay "6" at 1195.08,501.61 h100; Bottom Overlay "5" at 1153.08,501.61 h100; Bottom Overlay "4" at 1111.08,501.61 h100; Bottom Overlay "3" at 1064.08,501.61 h100; Bottom Overlay "2" at 1022.08,501.61 h100; Bottom Overlay "1" at 979.08,501.61 h100